# Altium PCB QAM16_PCB.PcbDoc (part 1 of 3) (continued)
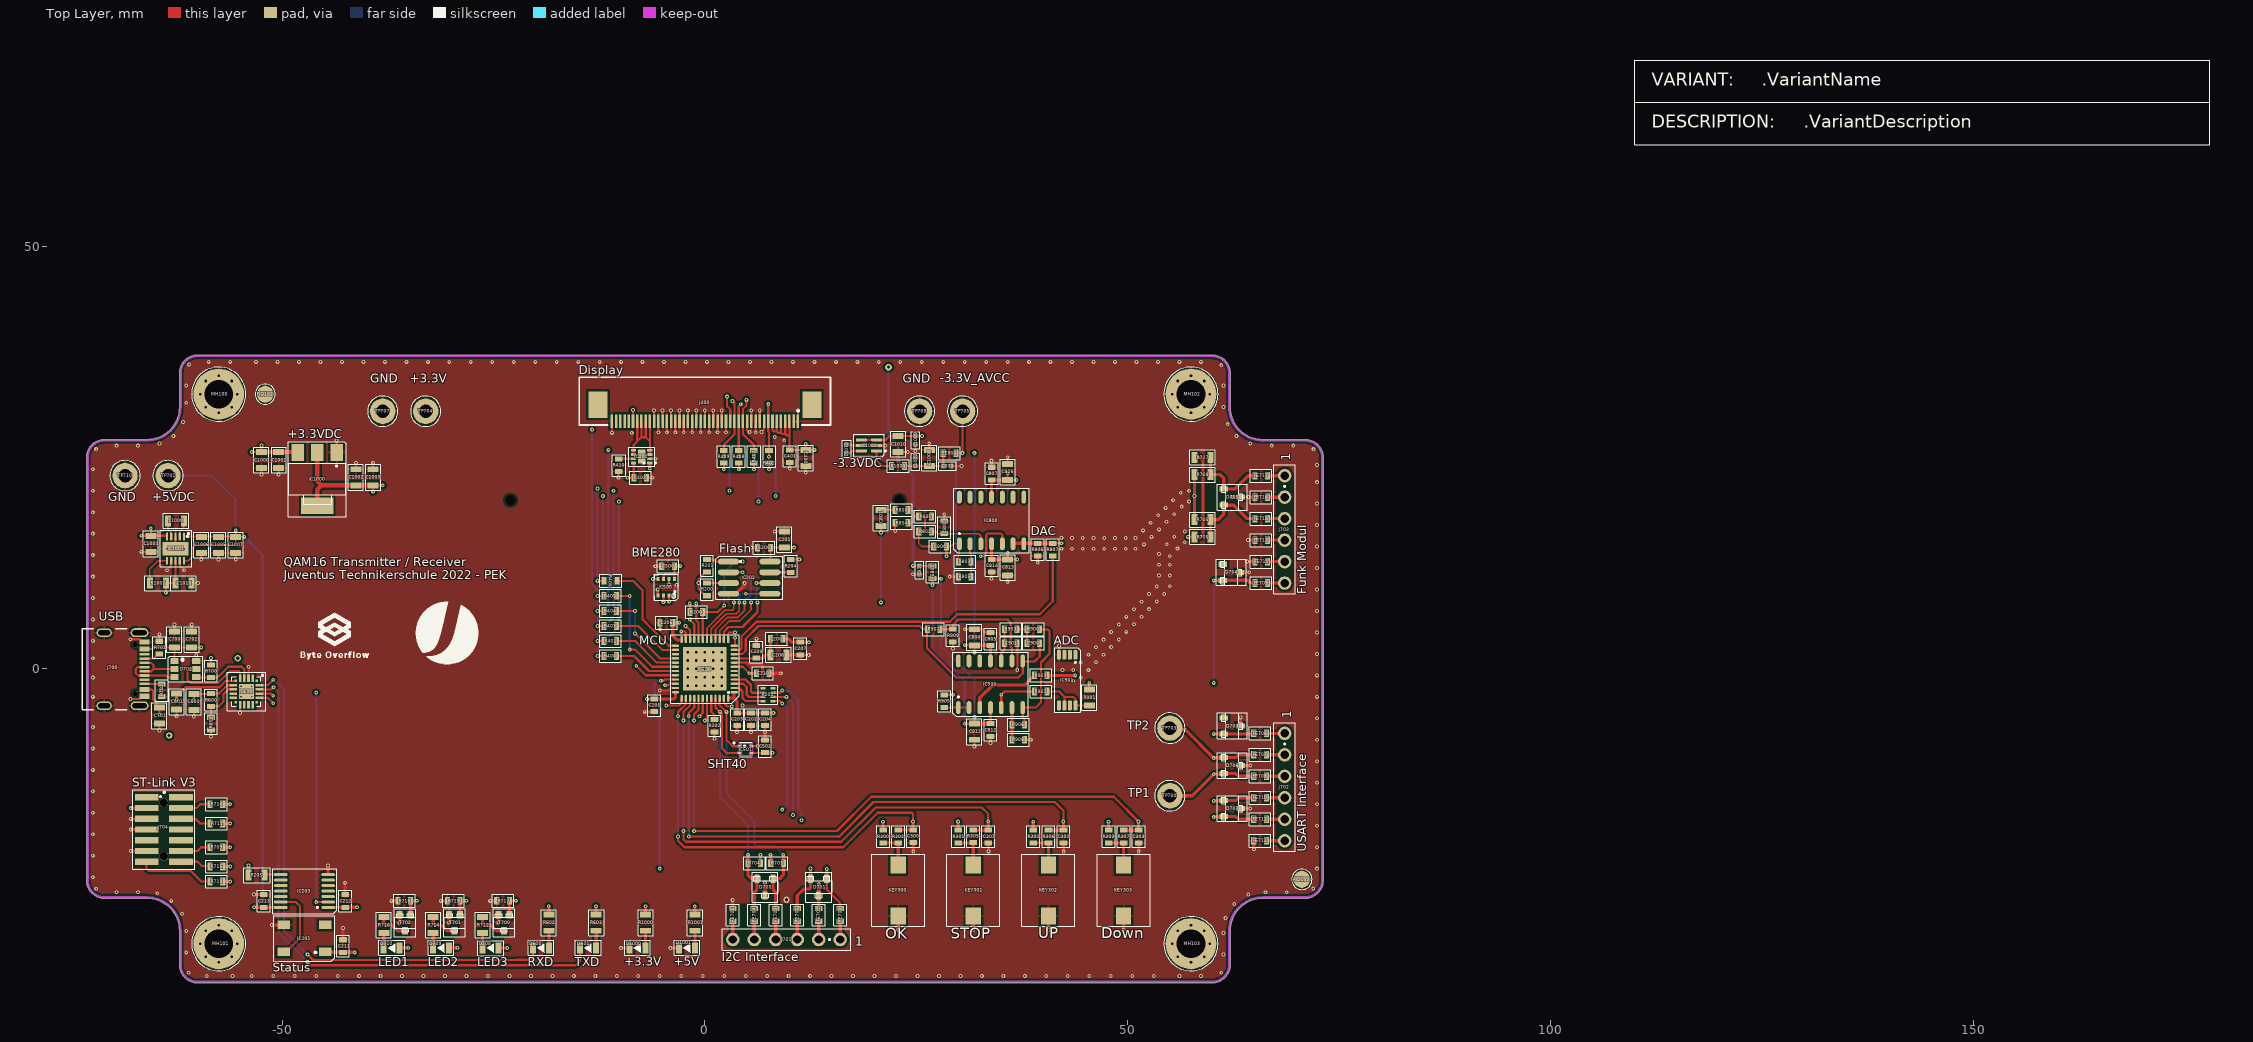
[diagram p0: Top Layer view]
## Components (designator, comment, footprint, x,y, rotation, side; value= is the part's Value field where it differs from the comment) (continued)
C1004 "C 10uF 16V" 0805-2012 -65.532,15.748 r270 top value="10uF 16V"
C1005 "C 10uF 16V" 0805-2012 -57.531,15.621 r270 top value="10uF 16V"
C1006 "C 10uF 16V" 0805-2012 -59.563,15.621 r270 top value="10uF 16V"
C1007 "C 0.1uF 50V" 0805-2012 -55.499,15.621 r270 top value="0.1uF 50V"
C1008 "C 0.1uF 50V" 0805-2012 26.543,24.003 r90 top value="0.1uF 50V"
C1009 "C 2.2uF 6.3V" 0402-1005 24.892,27.559 r270 top value="2.2uF 6.3V"
C1010 "C 0.1uF 50V" 0805-2012 22.86,27.559 r270 top value="0.1uF 50V"
C1011 "C 1uF 6.3V" 0402-1005 16.764,25.543 r90 top value="1uF 6.3V"
C1012 "C 2.2uF 6.3V" 0402-1005 24.892,24.003 r90 top value="2.2uF 6.3V"
C1013 "C 0.1uF 50V" 0805-2012 -62.611,10.16 r0 top value="0.1uF 50V"
D600 "LED SMD 0805" 0805_LED -18.442,-33 r180 top
D601 "LED SMD 0805" 0805_LED -12.854,-33 r180 top
D700 "PESD5V2S2UT 215" SOT-23-3 8.062,-24.797 r270 top
D701 "PESD5V2S2UT 215" SOT-23-3 14.412,-24.797 r270 top
D702 "STF202-22T1G" SOT-23-6 -62.738,0.95 r0 top
D703 "PESD5V2S2UT 215" SOT-23-3 61.373,-5.781 r0 top
D704 "PESD5V2S2UT 215" SOT-23-3 61.246,12.38 r0 top
D705 "PESD5V2S2UT 215" SOT-23-3 61.373,21.27 r0 top
D706 "PESD5V2S2UT 215" SOT-23-3 61.373,-10.48 r0 top
D707 "PESD5V2S2UT 215" SOT-23-3 61.373,-15.56 r0 top
D708 "LED SMD 0805" 0805_LED -24.389,-33.02 r180 top
D709 "LED SMD 0805" 0805_LED -30.258,-33 r180 top
D710 "LED SMD 0805" 0805_LED -36.1,-33 r180 top
D1000 "LED SMD 0805" 0805_LED -7.012,-33 r180 top
D1001 "LED SMD 0805" 0805_LED -1.17,-33 r180 top
Designator1 "Comment" KD023C-1A 0,-2.85 r0 bottom locked
FE700 "BLM18AG102SN1D" 0603-1608 16.002,-28.345 r270 top
FE701 "BLM18AG102SN1D" 0603-1608 13.462,-28.345 r270 top
FE702 "BLM18AG102SN1D" 0603-1608 10.922,-28.345 r270 top
FE703 "BLM18AG102SN1D" 0603-1608 8.382,-28.345 r270 top
FE704 "BLM18AG102SN1D" 0603-1608 5.842,-28.345 r270 top
FE705 "BLM18AG102SN1D" 0603-1608 3.302,-28.345 r270 top
FE706 "BLM18AG102SN1D" 0603-1608 64.921,-7.62 r0 top
FE707 "BLM18AG102SN1D" 0603-1608 64.921,-10.16 r0 top
FE708 "BLM18AG102SN1D" 0603-1608 64.921,-12.7 r0 top
FE709 "BLM18AG102SN1D" 0603-1608 65.048,10.16 r0 top
FE710 "BLM18AG102SN1D" 0603-1608 64.921,-15.24 r0 top
FE711 "BLM18AG102SN1D" 0603-1608 65.048,12.7 r0 top
FE712 "BLM18AG102SN1D" 0603-1608 64.921,-17.78 r0 top
FE713 "BLM18AG102SN1D" 0603-1608 65.048,15.24 r0 top
FE714 "BLM18AG102SN1D" 0603-1608 64.921,-20.32 r0 top
FE715 "BLM18AG102SN1D" 0603-1608 65.048,17.78 r0 top
FE716 "BLM18AG102SN1D" 0603-1608 65.048,20.32 r0 top
FE717 "BLM18AG102SN1D" 0603-1608 65.048,22.86 r0 top
FE800 "BLM18AG102SN1D" 0603-1608 29.694,25.527 r180 top
FE801 "BLM18AG102SN1D" 0603-1608 26.924,10.692 r90 top
FID100 "FIDUCIAL-2" FIDUCIAL_2 -52.832,-34.036 r180 bottom
FID101 "FIDUCIAL-2" FIDUCIAL_2 60.071,27.051 r180 bottom
FID102 "FIDUCIAL-2" FIDUCIAL_2 -52,32.5 r0 top
FID103 "FIDUCIAL-2" FIDUCIAL_2 70.612,-24.892 r0 top
IC200 "ST STM32L452CEU6" "QFN48 7x7x0.9 WIZnet" 3.475,-2.75 r180 top
IC201 "WS2812B" LED_2812 -47.371,-31.877 r180 top
IC202 "AT25M01-SHM-T" SOIC-8 2.794,12.7 r0 top
IC203 "TXB0104" TSSOP14 -44.565,-28.224 r180 top value=TXB0104PWR
IC400 "CAT4004AHU2-GT3" "UDFN-8 517AW-01" -6.518,24.356 r180 top
IC500 "BME280" "LGA-8 2.5x2.5x0.95" -3.597,8.677 r270 top
IC501 "SHT40-AD1B-R2" XDCR_SHT40-AD1B-R2 4.826,-9.525 r0 top
IC600 "CP2102N-A02" GQFN20R -54.229,-2.667 r270 top
IC800 "LMC6484IMX/NOPB" SOIC-14 30.099,14.8 r90 top
IC900 "LMC6484IMX/NOPB" SOIC-14 29.972,-4.572 r90 top
IC901 "LT1004IPWR-1-2" MO-153AA 43.83,1.682 r270 top
IC1000 "TLV1117LV33DCY" SOT-223 -43.547,25.604 r270 top
IC1001 "ADP2503ACPZ-5.0-R7" SON10 -62.611,14.224 r270 top
IC1002 "MAX1853EXT+T" SC70-6 19.415,26.431 r180 top
J400 "FFC 45 Pos F32Q-1A7H1-11045" SAMTEC_ZF5S-45-01-T-WT -0.001,31.265 r180 top
J700 "USB Type C" GCT_USB4105 -71.049,-0.028 r270 top locked value=USB4105-GF-A
J701 "Stiftleiste 6pol" Stiftleiste_6pol 16.002,-32.004 r180 top
J702 "Stiftleiste 6pol" Stiftleiste_6pol 68.58,-7.62 r270 top
J703 "Stiftleiste 6pol" Stiftleiste_6pol 68.58,10.16 r90 top
J704 "Stiftleiste_Stlink_V3" SAMTEC_FTSH-107-01-L-DV-K-A -64,-19 r270 top
KEY300 "TL9210AF180Q" SW_TL9210AF180Q 22.86,-26.21 r90 top
KEY301 "TL9210AF180Q" SW_TL9210AF180Q 31.75,-26.21 r90 top
KEY302 "TL9210AF180Q" SW_TL9210AF180Q 40.64,-26.21 r90 top
KEY303 "TL9210AF180Q" SW_TL9210AF180Q 49.53,-26.21 r90 top
L200 "L 22nH" 0603-1608 9.247,3.556 r180 top value=22nH
L1000 "L 1.5uH 0.5A" 0805-2012 -61.595,17.526 r180 top
MH100 "MH_M3_RND_2" MH_M3_RND_2 -57.503,32.5 r0 top locked
MH101 "MH_M3_RND_2" MH_M3_RND_2 -57.503,-32.5 r0 top locked
MH102 "MH_M3_RND_2" MH_M3_RND_2 57.5,32.5 r0 top locked
MH103 "MH_M3_RND_2" MH_M3_RND_2 57.497,-32.5 r0 top locked
R200 "R 10k 1%" 0603-1608 0.254,10.16 r270 top value=10k
R201 "R 10k 1%" 0603-1608 0.254,12.954 r270 top value=10k
R202 "R 10k 1%" 0603-1608 1.143,-5.969 r270 top value=10k
R203 "R 100E 4x 5.0%" Array-2010-4Way 6.858,-3.81 r90 top value="100E 4x 5.0%"
R204 "R 10k 1%" 0603-1608 10.16,11.43 r90 top value=10k
R205 "R 0E 1%" 0805-2012 -53.97,-24.384 r0 top value="0E 1%"
R206 "R 100E 1%" 0603-1608 -0.254,6.731 r180 top value="100E 1%"
R300 "R 10k 1%" 0603-1608 21.082,-19.074 r270 top value=10k
R301 "R 10k 1%" 0603-1608 29.972,-19.074 r270 top value=10k
R302 "R 10k 1%" 0603-1608 38.862,-19.074 r270 top value=10k
R303 "R 10k 1%" 0603-1608 47.752,-19.074 r270 top value=10k
R304 "R 100E 1%" 0603-1608 22.86,-20.574 r90 top value="100E 1%"
R305 "R 100E 1%" 0603-1608 31.75,-20.55 r90 top value="100E 1%"
R306 "R 100E 1%" 0603-1608 40.64,-20.574 r90 top value="100E 1%"
R307 "R 100E 1%" 0603-1608 49.53,-20.574 r90 top value="100E 1%"
R400 "R 100E 1%" 0603-1608 -11.938,1.524 r0 top value="100E 1%"
R401 "R 100E 1%" 0603-1608 -11.938,3.302 r0 top value="100E 1%"
R402 "R 10k 1%" 0603-1608 7.579,25.856 r270 top value=10k
R403 "R 100E 1%" 0603-1608 -11.938,5.08 r0 top value="100E 1%"
R404 "R 100E 1%" 0603-1608 -11.938,6.858 r0 top value="100E 1%"
R405 "R 100E 1%" 0603-1608 -11.938,8.636 r0 top value="100E 1%"
R406 "R 100E 1%" 0603-1608 -11.914,10.414 r0 top value="100E 1%"
R407 "R 10k 1%" 0603-1608 5.801,25.856 r270 top value=10k
R408 "R 10k 1%" 0603-1608 4.023,25.856 r270 top value=10k
R409 "R 10k 1%" 0603-1608 2.245,25.856 r270 top value=10k
R410 "R 3.9k 1%" 0603-1608 -10.201,24.84 r270 top value="3.9k 1%"
R600 "R 22k 1%" 0603-1608 -58.42,-2.921 r270 top value="22k 1%"
R601 "R 47k 1%" 0603-1608 -58.42,-5.715 r270 top value="47K 1%"
R602 "R 560E 1%" 0805-2012 -18.442,-30.968 r90 top value="560E 1%"
R603 "R 560E 1%" 0805-2012 -12.854,-30.968 r90 top value="560E 1%"
R700 "R 1.5k 1%" 0603-1608 -58.42,0.484 r270 top value="1.5k 1%"
R701 "R 5.1k 1%" 0603-1608 -64.516,1.778 r90 top value="5k1 1%"
R702 "R 5.1k 1%" 0603-1608 -64.262,-1.778 r270 top value="5k1 1%"
R703 "R 2.2k 1%" 0603-1608 7.795,-22.987 r0 top value="2.2k 1%"
R704 "R 2.2k 1%" 0603-1608 6.604,-22.987 r180 top value="2.2k 1%"
R705 "R 0E 1%" 0805-2012 59.817,17.653 r180 top value="0E 1%"
R706 "R 0E 1%" 0805-2012 59.817,15.621 r180 top value="0E 1%"
R707 "R 0E 1%" 0805-2012 59.817,25.019 r180 top value="0E 1%"
R708 "R 0E 1%" 0805-2012 59.817,22.987 r180 top value="0E 1%"
R709 "R 100E 1%" 0603-1608 -57.028,-21.082 r180 top value="100E 1%"
R710 "R 100E 1%" 0603-1608 -57.028,-16.002 r180 top value="100E 1%"
R711 "R 100E 1%" 0603-1608 -57.028,-18.288 r180 top value="100E 1%"
R712 "R 560E 1%" 0805-2012 -26.289,-31.242 r90 top value="560E 1%"
R713 "R 100E 1%" 0603-1608 -57.028,-25.146 r180 top value="100E 1%"
R714 "R 560E 1%" 0805-2012 -32.131,-31.242 r90 top value="560E 1%"
R715 "R 100E 1%" 0603-1608 -57.028,-23.368 r180 top value="100E 1%"
R716 "R 560E 1%" 0805-2012 -37.973,-31.242 r90 top value="560E 1%"
R717 "R 100k 1%" 0603-1608 -23.114,-27.432 r180 top value="100k 1%"
R718 "R 100k 1%" 0603-1608 -34.798,-27.432 r180 top value="100k 1%"
R719 "R 100k 1%" 0603-1608 -28.956,-27.432 r180 top value="100k 1%"
R800 "R 56k 1%" 0603-1608 22.503,18.796 r0 top value="56k 1%"
R801 "R 10k 1%" 0603-1608 25.297,18.034 r0 top value=10k
R802 "R 10k 1%" 0603-1608 25.297,16.256 r0 top value=10k
R803 "R 6.8k 1%" 0603-1608 29.996,12.7 r0 top value="6.8k 1%"
R804 "R 18k 1%" 0603-1608 24.003,17.272 r180 top value="18k 1%"
R805 "R 10k 1%" 0603-1608 29.996,10.922 r0 top value=10k
R806 "R 10k 1%" 0603-1608 39.37,13.359 r90 top value=10k
R807 "R 10k 1%" 0603-1608 41.148,13.359 r90 top value=10k
R900 "R 10k 1%" 0603-1608 39.6,4.699 r180 top value=10k
R901 "R 100k 1.0%" 0805-2012 45.466,-2.418 r270 top value="100k 1.0%"
R902 "R 10k 1%" 0603-1608 40.489,-2.667 r180 top value=10k
R903 "R 10k 1%" 0603-1608 36.933,4.699 r180 top value=10k
R904 "R 10k 1%" 0603-1608 40.489,-0.762 r180 top value=10k
R905 "R 10k 1%" 0603-1608 28.321,-4.572 r90 top value=10k
R906 "R 6.8k 1%" 0603-1608 37.822,-6.604 r180 top value="6.8k 1%"
R907 "R 6.8k 1%" 0603-1608 26.313,4.699 r0 top value="6.8k 1%"
R908 "R 10k 1%" 0603-1608 37.822,-8.382 r180 top value=10k
R909 "R 10k 1%" 0603-1608 29.337,3.199 r90 top value=10k
R1000 "R 560E 1%" 0805-2012 -7.012,-29.068 r270 top value="560E 1%"
R1001 "R 560E 1%" 0805-2012 -1.17,-29.068 r270 top value="560E 1%"
R1002 "R 0E 1%" 0805-2012 -63.754,10.16 r180 top value="0E 1%"
R1003 "R 10E 1%" 0603-1608 22.098,24.003 r0 top value="10E 1%"
T700 "SI1308EDL-T1-GE3" SOT-323 -23.126,-29.068 r270 top
T701 "SI1308EDL-T1-GE3" SOT-323 -28.968,-29.068 r270 top
T702 "SI1308EDL-T1-GE3" SOT-323 -34.81,-29.068 r270 top
TP700 "Testpoint" Testpoint 55,-15 r0 top
TP701 "Testpoint" Testpoint -63.5,22.86 r0 top
TP703 "Testpoint" Testpoint 55,-7 r0 top
TP704 "Testpoint" Testpoint -33.02,30.48 r0 top
TP705 "Testpoint" Testpoint 30.48,30.48 r0 top
TP707 "Testpoint" Testpoint -38.1,30.48 r0 top
TP708 "Testpoint" Testpoint 25.4,30.48 r0 top
TP710 "Testpoint" Testpoint -68.58,22.86 r0 top

## Footprints (in the part's own frame and the unit in brackets; to place one, negate y for a bottom-side part, rotate by r counter-clockwise, add the part's x,y. Pads: shape width x height; smd on the part's side, far side on the other; paste and mask are expansions set on the pad)
0402-1005 [mm] "Chip Body 1.0 x 0.5 mm (LxW typ)"
  rect 0.5x0.6 smd: 1(0,0) 2(1,0)
  silkscreen extent -0.52,-0.51 1.52,0.51, body extent 0,-0.3 1,0.3, height 0.2
0603-1608 [mm] "Chip Body 1.6 x 0.8 mm (LxW typ)"
  rect 0.6x0.9 smd: 1(0,0) 2(1.5,0)
  silkscreen extent -0.52,-0.76 2.02,0.76, body extent -0.05,-0.4 1.55,0.4, height 0.3
0805-2012 [mm] "Chip Body 2.0 x 1.2 mm (LxW typ)"
  rect 0.7x1.3 smd: 1(0,0) 2(1.9,0)
  silkscreen extent -0.57,-0.89 2.47,0.89, body extent -0.05,-0.62 1.95,0.63, height 0.8
0805_LED [mm]
  rect 0.7x1.3 smd: 1(0,0) 2(1.9,0)
  silkscreen extent -0.57,-0.89 2.47,0.89, body extent -0.08,-0.64 1.98,0.63, height 0.71
Array-2010-4Way [mm]
  rect 0.3x0.6 smd: 1(0,0) 2(0,-1.2) 3(0.5,0) 4(0.5,-1.2) 5(1,0) 6(1,-1.2) 7(1.5,0) 8(1.5,-1.2)
  silkscreen extent -0.39,-1.74 1.89,0.54, body extent -0.25,-1.1 1.75,-0.1, height 0.39
FIDUCIAL_2 [mm]
  round 2 smd paste-25.4: 1(0,0)
  silkscreen extent -1.2,-1.2 1.2,1.2
GCT_USB4105 [mm]
  rect 0.6x1.15 smd: A1(-3.2,4.755) A4(-2.4,4.755) B1(3.2,4.755) B4(2.4,4.755)
  rect 0.3x1.15 smd: A5(-1.25,4.755) A6(-0.25,4.755) A7(0.25,4.755) A8(1.25,4.755) B5(1.75,4.755) B6(0.75,4.755) B7(-0.75,4.755) B8(-1.75,4.755)
  round 0.65 hole 0.65 unplated: None(-2.89,3.68) None(2.89,3.68)
  oval 1.05x2.1 hole 0.6 slot 1.7 at 90 deg: S1(-4.32,4.18) S1(4.32,4.18)
  oval 1x1.8 hole 0.6 slot 1.4 at 90 deg: S1(-4.32,0) S1(4.32,0)
  silkscreen extent -4.79,-2.6 4.79,2.65, body extent -4.47,-2.7 4.47,5, height 3.26
GQFN20R [mm]
  rect 0.3x0.3 smd: 1(-1.25,1.25) 6(-1.25,-1.25) 11(1.25,-1.25) 16(1.25,1.25)
  rect 0.9x0.3 smd: 2(-1.55,0.75) 3(-1.55,0.25) 4(-1.55,-0.25) 5(-1.55,-0.75) 12(1.55,-0.75) 13(1.55,-0.25) 14(1.55,0.25) 15(1.55,0.75)
  rect 0.3x0.9 smd: 7(-0.75,-1.55) 8(-0.25,-1.55) 9(0.25,-1.55) 10(0.75,-1.55) 17(0.75,1.55) 18(0.25,1.55) 19(-0.25,1.55) 20(-0.75,1.55)
  rect 1.8x1.8 smd paste-2: 21(0,0)
  silkscreen extent -2.29,-2.29 2.29,2.29, body extent -1.5,-1.5 1.5,1.5, height 0.8
KD023C-1A [mm]
  round 0 hole 1.2 unplated: MH(-23.005,-22.8) MH(22.995,-22.8)
  silkscreen extent -25.97,-25.77 25.98,20.18, body extent -25.97,-25.77 25.98,20.18, height 2.45
LED_2812 [mm]
  rect 1.5x1 smd: 1(-2.45,1.6) 2(-2.45,-1.6) 3(2.45,-1.6) 4(2.45,1.6)
  silkscreen extent -3.6,-2.7 3.66,2.7, body extent -2.68,-2.47 2.67,2.48, height 1.68
"LGA-8 2.5x2.5x0.95" [mm]
  rect 0.5x0.35 smd: 1(0,0) 2(0,-0.65) 3(0,-1.3) 4(0,-1.95) 5(-1.95,-1.95) 6(-1.95,-1.3) 7(-1.95,-0.65) 8(-1.95,0)
  silkscreen extent -2.5,-2.37 0.55,0.42, body extent -2.22,-2.23 0.28,0.27, height 0.93
MH_M3_RND_2 [mil]
  round 24 hole 12: 1(-86.61,0) 1(-61.25,-61.25) 1(-61.25,61.25) 1(0,-86.61) 1(0,86.61) 1(61.25,-61.25) 1(61.25,61.25) 1(86.61,0)
  round 236.22 / inner round 173.23 / far side round 236.22 hole 133.86 mask+1.5: 1(0,0)
  silkscreen extent -126,-126 126,126
MO-153AA [mm]
  rrect50% 1.15x0.45 smd: 1(0,0) 2(0,-0.65) 3(0,-1.3) 4(0,-1.95) 5(6,-1.95) 6(6,-1.3) 7(6,-0.65) 8(6,0)
  silkscreen extent -0.81,-2.5 6.81,0.55, body extent -0.23,-2.47 6.23,0.53, height 1.2
"QFN48 7x7x0.9 WIZnet" [mm]
  round 0.6 hole 0.3: 0(1.475,-1.75) 0(1.475,-0.75) 0(1.475,-4.75) 0(1.475,-3.75) 0(1.475,-2.75) 0(2.475,-0.75) 0(2.475,-3.75) 0(2.475,-2.75) 0(2.475,-1.75) 0(2.475,-4.75) 0(3.475,-2.75) 0(3.475,-1.75) 0(3.475,-0.75) 0(3.475,-4.75) 0(3.475,-3.75) 0(4.475,-2.75) 0(4.475,-1.75) 0(4.475,-0.75) 0(4.475,-4.75) 0(4.475,-3.75) 0(5.475,-2.75) 0(5.475,-1.75) 0(5.475,-0.75) 0(5.475,-4.75) 0(5.475,-3.75)
  rect 5.15x5.15 smd: 0(3.475,-2.75)
  oval 0.85x0.28 smd: 1(0,0) 2(0,-0.5) 3(0,-1) 4(0,-1.5) 5(0,-2) 6(0,-2.5) 7(0,-3) 8(0,-3.5) 9(0,-4) 10(0,-4.5) 11(0,-5) 12(0,-5.5) 25(6.95,-5.5) 26(6.95,-5) 27(6.95,-4.5) 28(6.95,-4) 29(6.95,-3.5) 30(6.95,-3) 31(6.95,-2.5) 32(6.95,-2) 33(6.95,-1.5) 34(6.95,-1) 35(6.95,-0.5) 36(6.95,0)
  oval 0.28x0.85 smd: 13(0.725,-6.225) 14(1.225,-6.225) 15(1.725,-6.225) 16(2.225,-6.225) 17(2.725,-6.225) 18(3.225,-6.225) 19(3.725,-6.225) 20(4.225,-6.225) 21(4.725,-6.225) 22(5.225,-6.225) 23(5.725,-6.225) 24(6.225,-6.225) 37(6.225,0.725) 38(5.725,0.725) 39(5.225,0.725) 40(4.725,0.725) 41(4.225,0.725) 42(3.725,0.725) 43(3.225,0.725) 44(2.725,0.725) 45(2.225,0.725) 46(1.725,0.725) 47(1.225,0.725) 48(0.725,0.725)
  silkscreen extent -0.59,-6.81 7.54,1.31, body extent -0.04,-6.26 6.98,0.76, height 0.78
SAMTEC_FTSH-107-01-L-DV-K-A [mm]
  rect 0.74x2.79 smd: 1(-3.81,-2.035) 2(-3.81,2.035) 3(-2.54,-2.035) 4(-2.54,2.035) 5(-1.27,-2.035) 6(-1.27,2.035) 7(0,-2.035) 8(0,2.035) 9(1.27,-2.035) 10(1.27,2.035) 11(2.54,-2.035) 12(2.54,2.035) 13(3.81,-2.035) 14(3.81,2.035)
  round 1.02 hole 1.02 unplated: ""(-3.175,0) ""(3.175,0)
  silkscreen extent -4.69,-3.68 4.69,3.68, body extent -4.45,-2.92 4.45,2.92, height 6.16
SAMTEC_ZF5S-45-01-T-WT [mm]
  rect 0.3x1.6 smd: 1(-11,1.98) 2(-10.5,1.98) 3(-10,1.98) 4(-9.5,1.98) 5(-9,1.98) 6(-8.5,1.98) 7(-8,1.98) 8(-7.5,1.98) 9(-7,1.98) 10(-6.5,1.98) 11(-6,1.98) 12(-5.5,1.98) 13(-5,1.98) 14(-4.5,1.98) 15(-4,1.98) 16(-3.5,1.98) 17(-3,1.98) 18(-2.5,1.98) 19(-2,1.98) 20(-1.5,1.98) 21(-1,1.98) 22(-0.5,1.98) 23(0,1.98) 24(0.5,1.98) 25(1,1.98) 26(1.5,1.98) 27(2,1.98) 28(2.5,1.98) 29(3,1.98) 30(3.5,1.98) 31(4,1.98) 32(4.5,1.98) 33(5,1.98) 34(5.5,1.98) 35(6,1.98) 36(6.5,1.98) 37(7,1.98) 38(7.5,1.98) 39(8,1.98) 40(8.5,1.98) 41(9,1.98) 42(9.5,1.98) 43(10,1.98) 44(10.5,1.98) 45(11,1.98)
  rect 2.24x3.12 smd: S1(-12.647,0) S2(12.647,0)
  silkscreen extent -14.86,-3.25 14.86,2.41, body extent -14.9,-3.09 14.9,2.41, height 2.08
SC70-6 [mm]
  rrect50% 1.3x0.4 smd: 1(-0.905,0.65) 2(-0.905,0) 3(-0.905,-0.65) 4(0.91,-0.65) 5(0.91,0) 6(0.91,0.65)
  silkscreen extent -1.81,-1.35 1.81,1.35, body extent -1.05,-1 1.05,1, height 1.1
SOIC-8 [mm]
  oval 2.5x0.7 smd: 1(0,0) 2(0,-1.27) 3(0,-2.54) 4(0,-3.81) 5(4.9,-3.81) 6(4.9,-2.54) 7(4.9,-1.27) 8(4.9,0)
  silkscreen extent -1.49,-4.44 6.39,0.64, body extent -0.56,-4.4 5.46,0.6, height 1.75
SOIC-14 [mm]
  oval 1.52x0.58 smd: 1(0,0) 2(0,-1.27) 3(0,-2.54) 4(0,-3.81) 5(0,-5.08) 6(0,-6.35) 7(0,-7.62) 8(5.52,-7.62) 9(5.52,-6.35) 10(5.52,-5.08) 11(5.52,-3.81) 12(5.52,-2.54) 13(5.52,-1.27) 14(5.52,0)
  silkscreen extent -1.05,-8.25 6.57,0.64, body extent -0.33,-8.17 5.87,0.56, height 1.74
SON10 [mil]
  rect 61.81x122.05 smd paste+0: 0(0,0)
  rrect50% 35.43x10.24 smd: 1(-56.5,39.37) 2(-56.5,19.69) 3(-56.5,0) 4(-56.5,-19.69) 5(-56.5,-39.37) 6(56.5,-39.37) 7(56.5,-19.69) 8(56.5,0) 9(56.5,19.69) 10(56.5,39.37)
  silkscreen extent -85,-70 85,75, body extent -59,-59 59,59, height 34
SOT-23-3 [mm] "SOT23, 3-Leads, Body 2.9x1.3mm, Pitch 0.95mm, Lead Span 2.3mm, IPC High Density"
  rect 1x0.6 smd: 1(0,0) 2(0,-1.9) 3(2,-0.95)
  silkscreen extent -0.78,-2.47 2.78,0.57, body extent -0.24,-2.41 2.23,0.51, height 1.04
SOT-23-6 [mm] "SOT-457/SC-74; 6 Leads; Body 3 x 3 mm, inc. leads (LxW max)"
  rect 0.99x0.69 smd: 1(0,0) 2(0,-0.95) 3(0,-1.9) 4(2.59,-1.9) 5(2.59,-0.95) 6(2.59,0)
  silkscreen extent -0.74,-2.47 3.33,0.57, body extent 0.09,-2.35 2.52,0.45, height 1.09
SOT-223 [mm] "SOT223, 4-Leads, Body 6.5x3.5mm, Pitch 2.3mm, Lead Span 7mm, IPC High Density"
  rect 2x1.5 smd: 1(0,0) 2(0,-2.3) 3(0,-4.6)
  rect 2x3.8 smd: 4(6.3,-2.3)
  silkscreen extent -1.3,-5.73 7.59,1.13, body extent -0.32,-5.55 6.61,0.95, height 1.67
SOT-323 [mm]
  rect 0.9x0.7 smd: 1(0,0) 2(0,-1.3) 3(1.9,-0.65)
  silkscreen extent -0.7,-1.92 2.6,0.62, body extent -0.17,-1.75 2.07,0.45, height 1.1
Stiftleiste_6pol [mm]
  round 1.6 hole 1: 1(0,0) 2(2.54,0) 3(5.08,0) 4(7.62,0) 5(10.16,0) 6(12.7,0)
  silkscreen extent -1.27,-1.27 13.97,1.27, body extent -1.27,-1.27 13.97,1.27, height 8.51
SW_TL9210AF180Q [mm]
  rect 2x1.8 smd: 1(-3,0) 2(3,0)
  silkscreen extent -4.22,-3.12 4.27,3.15, body extent -3.4,-3 3.4,3, height 5
Testpoint [mm]
  round 3 hole 1.6: 1(0,0)
  silkscreen extent -1.8,-1.8 1.8,1.8, body extent -1.59,-1.59 1.59,1.59, height 5.6
TSSOP14 [mm]
  oval 1.6x0.35 smd: 1(0,0) 2(0,-0.65) 3(0,-1.3) 4(0,-1.95) 5(0,-2.6) 6(0,-3.25) 7(0,-3.9) 8(5.6,-3.9) 9(5.6,-3.25) 10(5.6,-2.6) 11(5.6,-1.95) 12(5.6,-1.3) 13(5.6,-0.65) 14(5.6,0)
  silkscreen extent -1.01,-4.62 6.61,0.72, body extent -0.4,-4.45 6,0.55, height 1.1
"UDFN-8 517AW-01" [mm]
  rect 0.94x1.64 smd: 0(0.95,-0.75)
  rect 0.6x0.32 smd: 1(0,0) 2(0,-0.5) 3(0,-1) 4(0,-1.5) 5(1.9,-1.5) 6(1.9,-1) 7(1.9,-0.5) 8(1.9,0)
  silkscreen extent -0.57,-1.89 2.47,0.39, body extent -0.05,-1.75 1.95,0.25, height 0.55
XDCR_SHT40-AD1B-R2 [mm]
  rect 0.5x0.3 smd: 1(-0.7,0.4) 2(-0.7,-0.4) 3(0.7,-0.4) 4(0.7,0.4)
  Keep-Out Layer region: 0.75,0.55 0.45,0.55 0.45,0.25 0.75,0.25 0.75,-0.25 0.45,-0.25 0.45,-0.55 0.75,-0.55 0.75,-0.75 -0.75,-0.75 -0.75,-0.55 -0.45,-0.55 -0.45,-0.25 -0.75,-0.25 -0.75,0.25 -0.45,0.25 -0.45,0.55 -0.75,0.55 -0.75,0.75 0.75,0.75
  silkscreen extent -0.75,-0.87 0.75,0.87, body extent -0.75,-0.75 0.75,0.75, height 0.54

## Part data
C200 C203 C204 C205 C206 C207 C209 C210 C211 C212 C213 C300 C301 C302 C303 C401 C402 C500 C502 C805 C807 C812 C814: library part F0161, "Capacitor", Manufacturer=KEMET, Manufacturer Part Number=C0603C104K5RACTU, Operating Range="-55°C to +125°C", Supplier Part Number 1=399-5089-1-ND, Availability Date="15.11.2016 OPT", Changed="05.09.2013 OPT", Component Type=Standard, ComponentLink1Description=Datasheet, ComponentLink1URL=http://www.kemet.com/kemet/web/homepage/kechome.nsf/vapubfiles/KEM_C1002_X7R_SMD.pdf/$file/KEM_C1002_X7R_SMD.pdf, Flammability=n.a., ID=F0161, Note="100nF 50V X7R 10% Kemet C0603C104K5RACTU", Part Status=Active, Part-Number=63.0104.1450, Pin Count=2, Price=0.01, Price 100=0.007, Price 1000=0.007, Price Date="02.12.2019 Pro Alpha", RoHS="RoHS Compliant", RoHS compliant=Yes, Specification="05.09.2013 OPT", Status=Active, Supplier 1=Digi-Key
C201 C208 C400 C600 C601 C700 C701 C702 C801 C804 C806 C811 C813 C1000 C1002: library part F0127, "Capacitor", Manufacturer="Murata Electronics North America", Manufacturer Part Number=GRM21BF51H105ZA12L, Operating Range="-30°C to +85°C", Supplier Part Number 1=490-3903-1-ND, Availability Date="15.11.2016 OPT", Changed="27.12.2012 OPT", Component Type=Standard, ComponentLink1Description=Datasheet, ComponentLink1URL=http://www.murata.com/products/catalog/pdf/c02e.pdf, ComponentLink2Description=http://search.murata.co.jp/Ceramy/image/img/A01X/G101/ENG/GRM21BF51H105ZA12-01.pdf, ComponentLink2URL=http://search.murata.co.jp/Ceramy/image/img/A01X/G101/ENG/GRM21BF51H105ZA12-01.pdf, Flammability=n.a., ID=F0127, Note="1uF 50V Y5V 20% Murata GRM21BF51H105ZA12L", Part Status="Discontinued at Digi-Key", Part-Number=63.0105.1500, Pin Count=2, Price=0.118, Price 100=0.067, Price 1000=0.067, Price Date="02.12.2019 Pro Alpha", RoHS="RoHS Compliant", RoHS compliant=Yes, Specification="27.12.2012 OPT", Status=Active, Supplier 1=Digi-Key
C202: library part F0193, "Capacitor", Manufacturer="Murata Electronics North America", Manufacturer Part Number=GRM188R61E475ME11D, Operating Range="-55°C to +85°C", Supplier Part Number 1=GRM188R61E475ME11D-ND, Availability Date="15.11.2016 OPT", Changed="02.09.2015 OPT", Component Type=Standard, ComponentLink1Description=Datasheet, ComponentLink1URL=http://search.murata.co.jp/Ceramy/image/img/A01X/partnumbering_e_01.pdf, ComponentLink2Description=http://search.murata.co.jp/Ceramy/image/img/A01X/G101/ENG/GRM188R61E475ME11-01.pdf, ComponentLink2URL=http://search.murata.co.jp/Ceramy/image/img/A01X/G101/ENG/GRM188R61E475ME11-01.pdf, Flammability=n.a., ID=F0193, Note="4.7uF 25V X5R 20% Murata Electronics GRM188R61E475ME11D", Part Status=Active, Part-Number=63.7000.0032, Pin Count=2, Price=0.096, Price 100=0.13, Price 1000=0.11, Price Date="02.12.2019 Pro Alpha", RoHS="RoHS Compliant", RoHS compliant=Yes, Specification="02.09.2015 OPT", Status=Active, Supplier 1=Digi-Key
C800 C802 C900 C901: library part F0058, "Capacitor", Manufacturer=KEMET, Manufacturer Part Number=C0603C224K4RAC7867, Operating Range="-55°C to +85°C", Supplier Part Number 1=399-5619-1-ND, Availability Date="15.11.2016 OPT", Changed="19.09.2011 MLP", Component Type=Standard, ComponentLink1Description=http://www.kemet.com/docfinder?Partnumber=C0603C224K4RACTU, ComponentLink1URL=http://www.kemet.com/docfinder?Partnumber=C0603C224K4RACTU, Flammability=n.a., ID=F0058, Note="220nF X5R 16V 10% Taiyo Yuden EMK107BJ224KAHT", Part Status=Active, Part-Number=63.0224.1400, Pin Count=2, Price=0.02, Price 100=0.02, Price 1000=0.02, Price Date="02.12.2019 Pro Alpha", RoHS="RoHS Compliant", RoHS compliant=Yes, Specification="19.09.2011 MLP", Status=Active, Supplier 1=Digi-Key, Verification="05.07.2012 OPT"
C803 C810: library part F0092, "Capacitor", Manufacturer="Taiyo Yuden", Manufacturer Part Number=JMK105BBJ475MV-F, Operating Range="-55°C to +85°C", Supplier Part Number 1=587-2787-1-ND, Availability Date="15.11.2016 OPT", Changed="19.09.2011 MLP", Component Type=Standard, ComponentLink1Description=http://ds.yuden.co.jp/TYCOMPAS/ut/detail.do?productNo=JMK105BBJ475MV-F&fileName=JMK105BBJ475MV-F_SS&mode=specSheetDownload, ComponentLink1URL=http://ds.yuden.co.jp/TYCOMPAS/ut/detail.do?productNo=JMK105BBJ475MV-F&fileName=JMK105BBJ475MV-F_SS&mode=specSheetDownload, Flammability=n.a., ID=F0092, Note="4.7uF X5R 6.3V 20% Taiyo Yuden JMK105BBJ475MV-F", Part Status=Active, Part-Number=63.7000.0030, Pin Count=2, Price=0.012, Price 100=0.057, Price 1000=0.057, Price Date="02.12.2019 Pro Alpha", RoHS="RoHS Compliant", RoHS compliant=Yes, Specification="19.09.2011 MLP", Status=Active, Supplier 1=Digi-Key, Verification="05.07.2012 OPT"
C1001 C1003 C1007 C1008 C1010 C1013: library part F0032, "Capacitor", Manufacturer=KEMET, Manufacturer Part Number=C0805C104K5RACTU, Operating Range="-55°C to +125°C", Supplier Part Number 1=399-1170-1-ND, Availability Date="15.11.2016 OPT", Changed="19.09.2011 MLP", Component Type=Standard, ComponentLink1Description=http://www.kemet.com/docfinder?Partnumber=C0805C104K5RACTU, ComponentLink1URL=http://www.kemet.com/docfinder?Partnumber=C0805C104K5RACTU, Flammability=n.a., ID=F0032, Note="0.1uF 10% 50V X7R AVX 08055C104KAT2A", Part Status=Active, Part-Number=63.0104.1000, Pin Count=2, Price=0.015, Price 100=0.011, Price 1000=0.011, Price Date="02.12.2019 Pro Alpha", RoHS="RoHS Compliant", RoHS compliant=Yes, Specification="19.09.2011 MLP", Status=Active, Supplier 1=Digi-Key, Verification="05.07.2012 OPT"
C1004 C1005 C1006: library part F0002, "Capacitor", Manufacturer="AVX Corporation", Manufacturer Part Number=0805YD106KAT2A, Operating Range="-55°C to +85°C", Supplier Part Number 1=478-5165-1-ND, Availability Date="15.11.2016 OPT", Changed="10.11.2011 MLP", Component Type=Standard, ComponentLink1Description=Datasheet, ComponentLink1URL=http://www.murata.com/products/catalog/pdf/c02e.pdf, ComponentLink2Description=http://datasheets.avx.com/cx5r.pdf, ComponentLink2URL=http://datasheets.avx.com/cx5r.pdf, Flammability=n.a., ID=F0002, Note="10uF 10% 16V X5R AVX 0805YD106KAT2A", Part Status=Active, Part-Number=63.7000.0120, Pin Count=2, Price=0.062, Price 100=0.087, Price 1000=0.068, Price Date="02.12.2019 Pro Alpha", RoHS="RoHS Compliant", RoHS compliant=Yes, Specification="10.11.2011 MLP", Status=Active, Supplier 1=Digi-Key, Verification="05.07.2012 OPT"
C1009 C1012: library part F0101, "Capacitor", Manufacturer="Johanson Dielectrics Inc.", Manufacturer Part Number=6R3R07X225MV4T, Operating Range="-55°C to +85°C", Supplier Part Number 1=709-1223-1-ND, Availability Date="15.11.2016 OPT", Changed="14.11.2014 OPT", Component Type=Standard, ComponentLink1Description=Datasheet, ComponentLink1URL=http://www.mouser.com/ds/2/611/JDI_Tanceram_High-Cap-2013-04-242302.pdf, ComponentLink2Description=https://www.johansondielectrics.com/downloads/JDI-Tanceram.pdf, ComponentLink2URL=https://www.johansondielectrics.com/downloads/JDI-Tanceram.pdf, Flammability=n.a., ID=F0101, Note="2.2uF 6.3V 20% X5R Johanson Dielectrics 6R3R07X225MV4T", Part Status=Active, Part-Number=63.7000.0150, Pin Count=2, Price=0.123, Price 100=0.093, Price 1000=0.074, Price Date="02.12.2019 Pro Alpha", RoHS="RoHS Compliant", RoHS compliant=Yes, Specification="14.11.2014 OPT", Status=Active, Supplier 1=Digi-Key
C1011: library part F0091, "Capacitor", Manufacturer=KEMET, Manufacturer Part Number=C0402C105K9PACTU, Operating Range="-55°C to +125°C", Supplier Part Number 1=399-4873-1-ND, Availability Date="15.11.2016 OPT", Changed="19.09.2011 MLP", Component Type=Standard, ComponentLink1Description=http://www.kemet.com/docfinder?Partnumber=C0402C105K9PACTU, ComponentLink1URL=http://www.kemet.com/docfinder?Partnumber=C0402C105K9PACTU, Flammability=n.a., ID=F0091, Note="1uF X5R 6.3V 10% Taiyo Yuden JMK105BJ105KV-F", Part Status=Active, Part-Number=63.7000.0020, Pin Count=2, Price=0.006, Price 100=0.004, Price 1000=0.004, Price Date="02.12.2019 Pro Alpha", RoHS="RoHS Compliant", RoHS compliant=Yes, Specification="19.09.2011 MLP", Status=Active, Supplier 1=Digi-Key, Verification="05.07.2012 OPT"
D600 D601 D708 D709 D710 D1000 D1001: library part A0053, "LED", Manufacturer=Dialight, Manufacturer Part Number=5988170107F, Operating Range="-30°C to +85°C", Supplier Part Number=350-2044-1-ND, Availability Date="14.11.2016 OPT", Changed="27.12.2012 OPT", Component Type=Standard, ComponentLink1Description=Datasheet, ComponentLink1URL=http://www.dialight.com/Assets/Brochures_And_Catalogs/Indication/598_SelectorGuide.pdf, Flammability=n.a., ID=A0053, Note="LED SMD 0805 Green Dialight 598-8170-107F", Part Status=Active, Part-Number=00.0000.0000, Pin Count=2, Price=0.092, Price 100=0.092, Price 1000=0.075, Price Date="17.09.2014 OPT", RoHS="RoHS Compliant", RoHS compliant=Yes, Specification="27.12.2012 OPT", Status=Active, Supplier=Digi-Key, Verification="25.01.2013 MLP"